# Altium PCB WT2_SL.PcbDoc
Units mil, origin at the board's own origin, x right, y up, seen from the top; angles counter-clockwise.
Board outline 1259.84 x 1536 mil, 2 copper layers (Top Layer, Bottom Layer); 87 components, 69 nets, 326 pads, 127 vias.
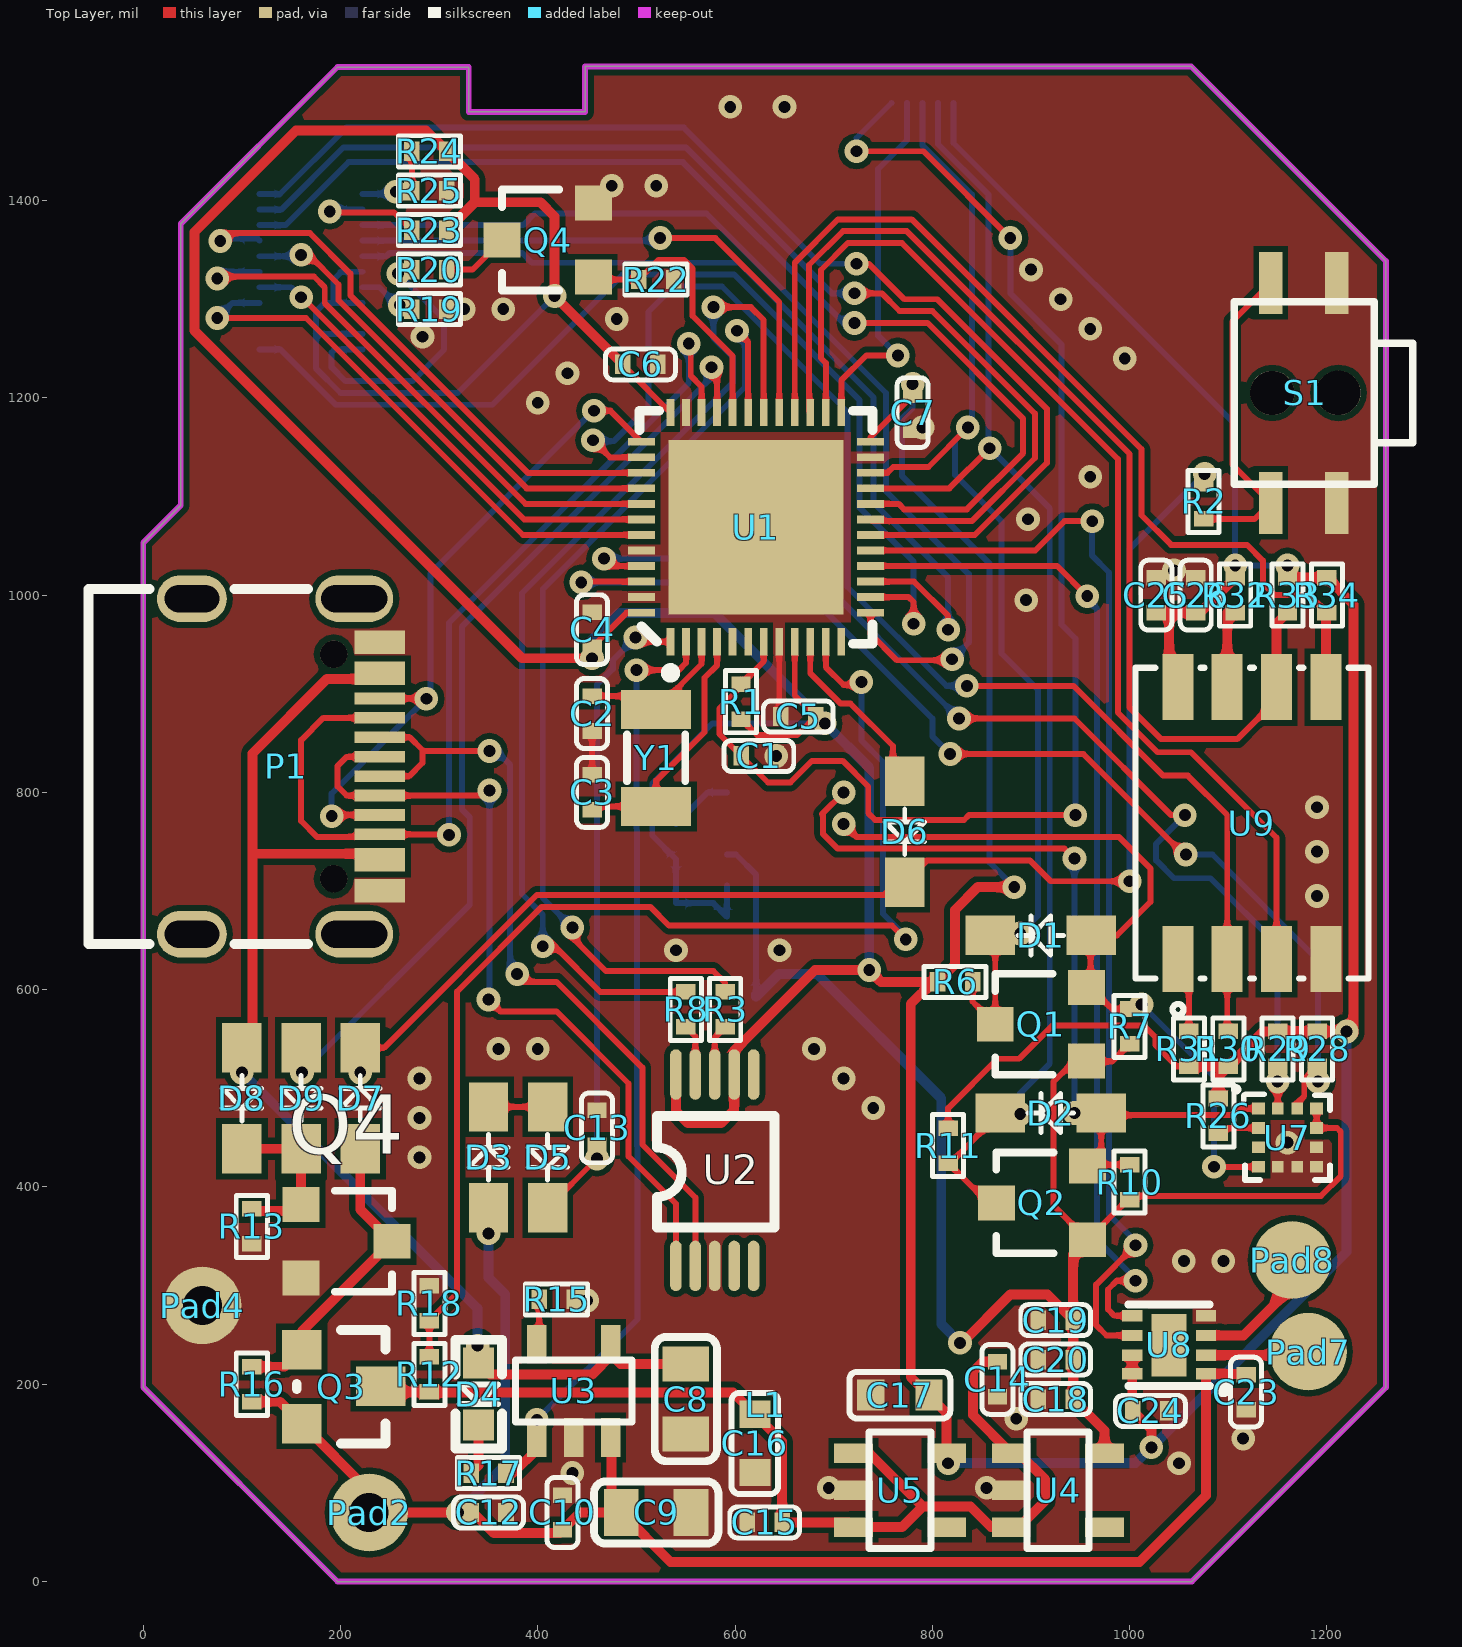
[diagram p0: Top Layer view]
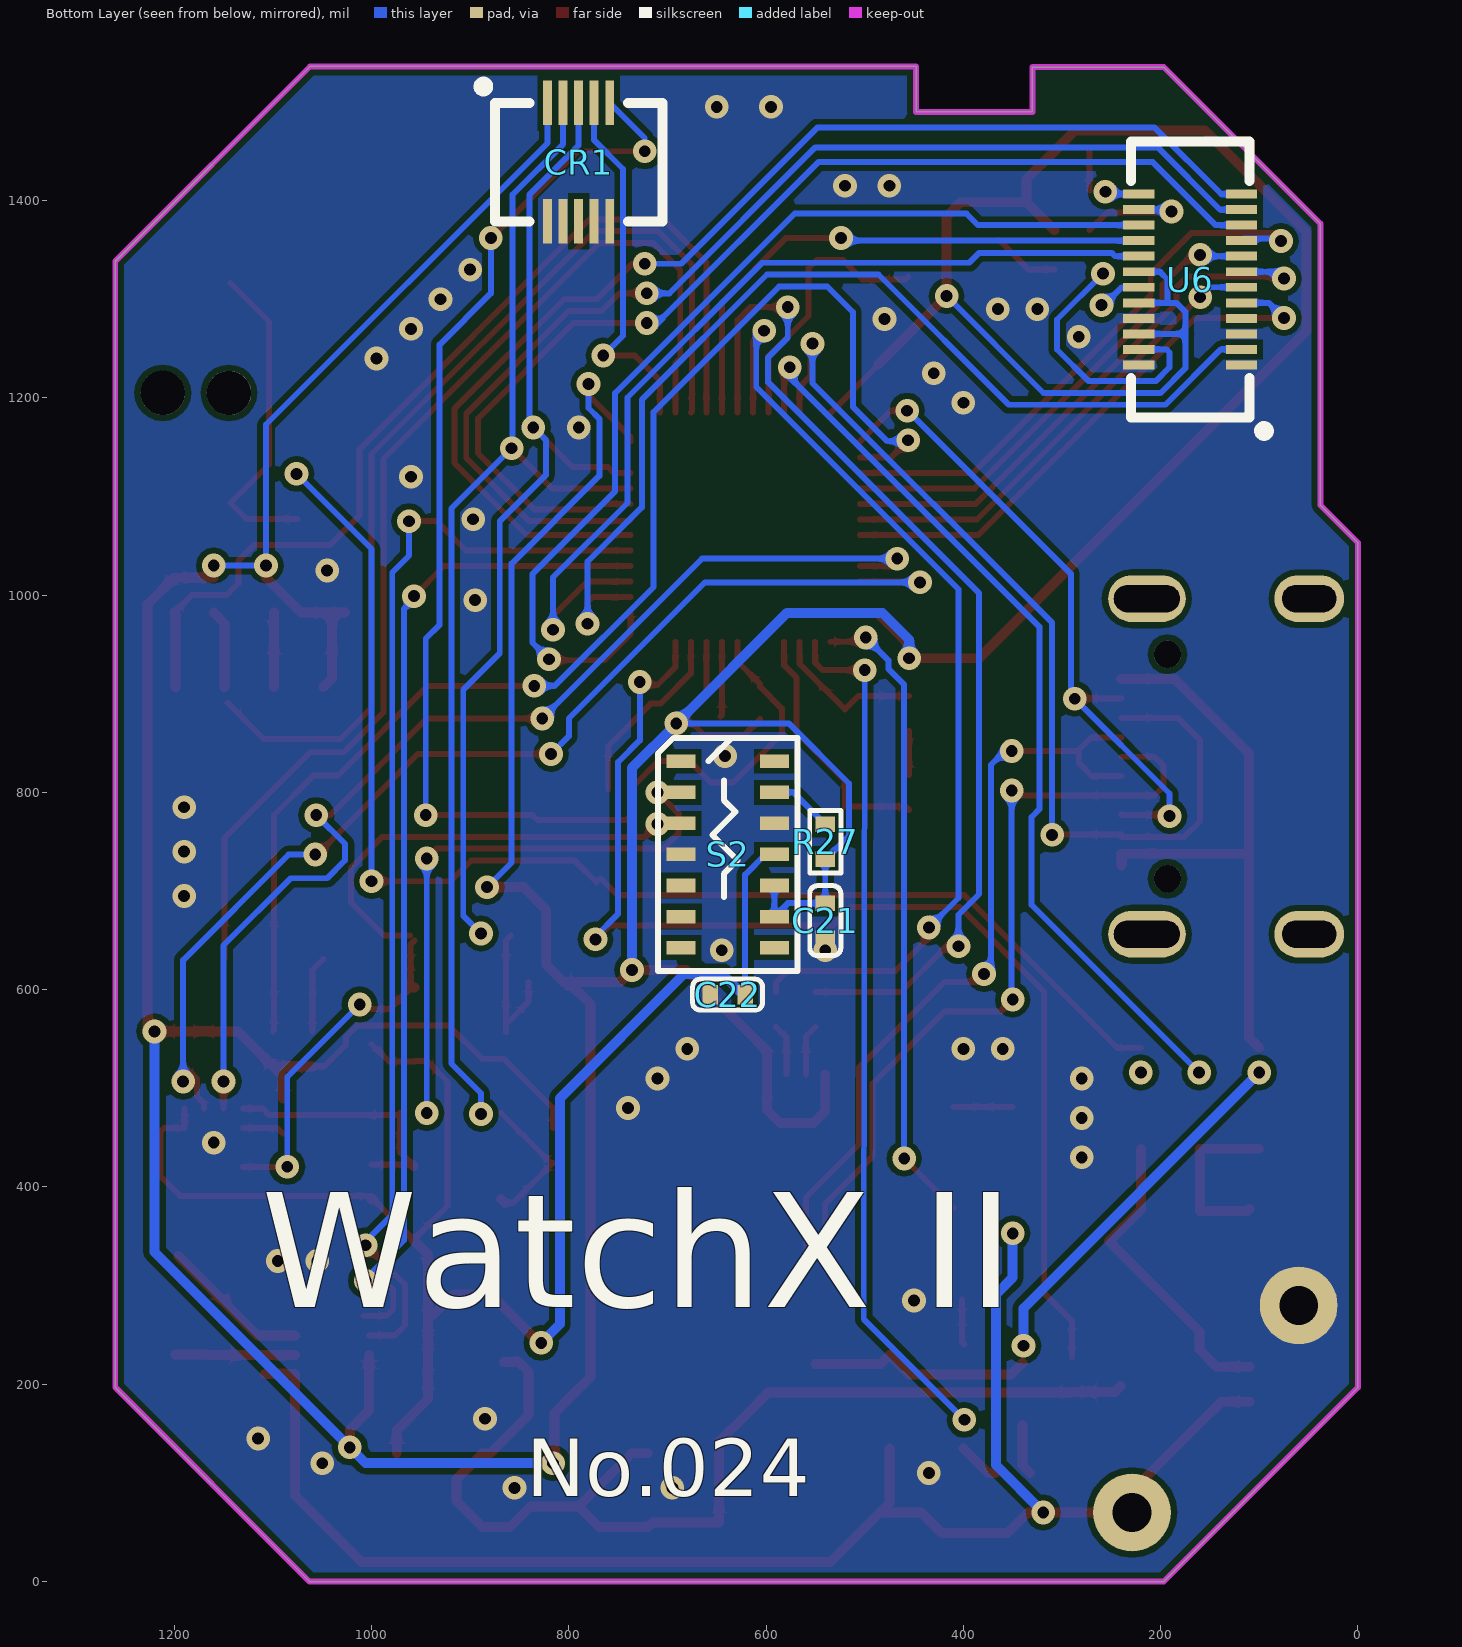
[diagram p1: Bottom Layer view, seen from below]
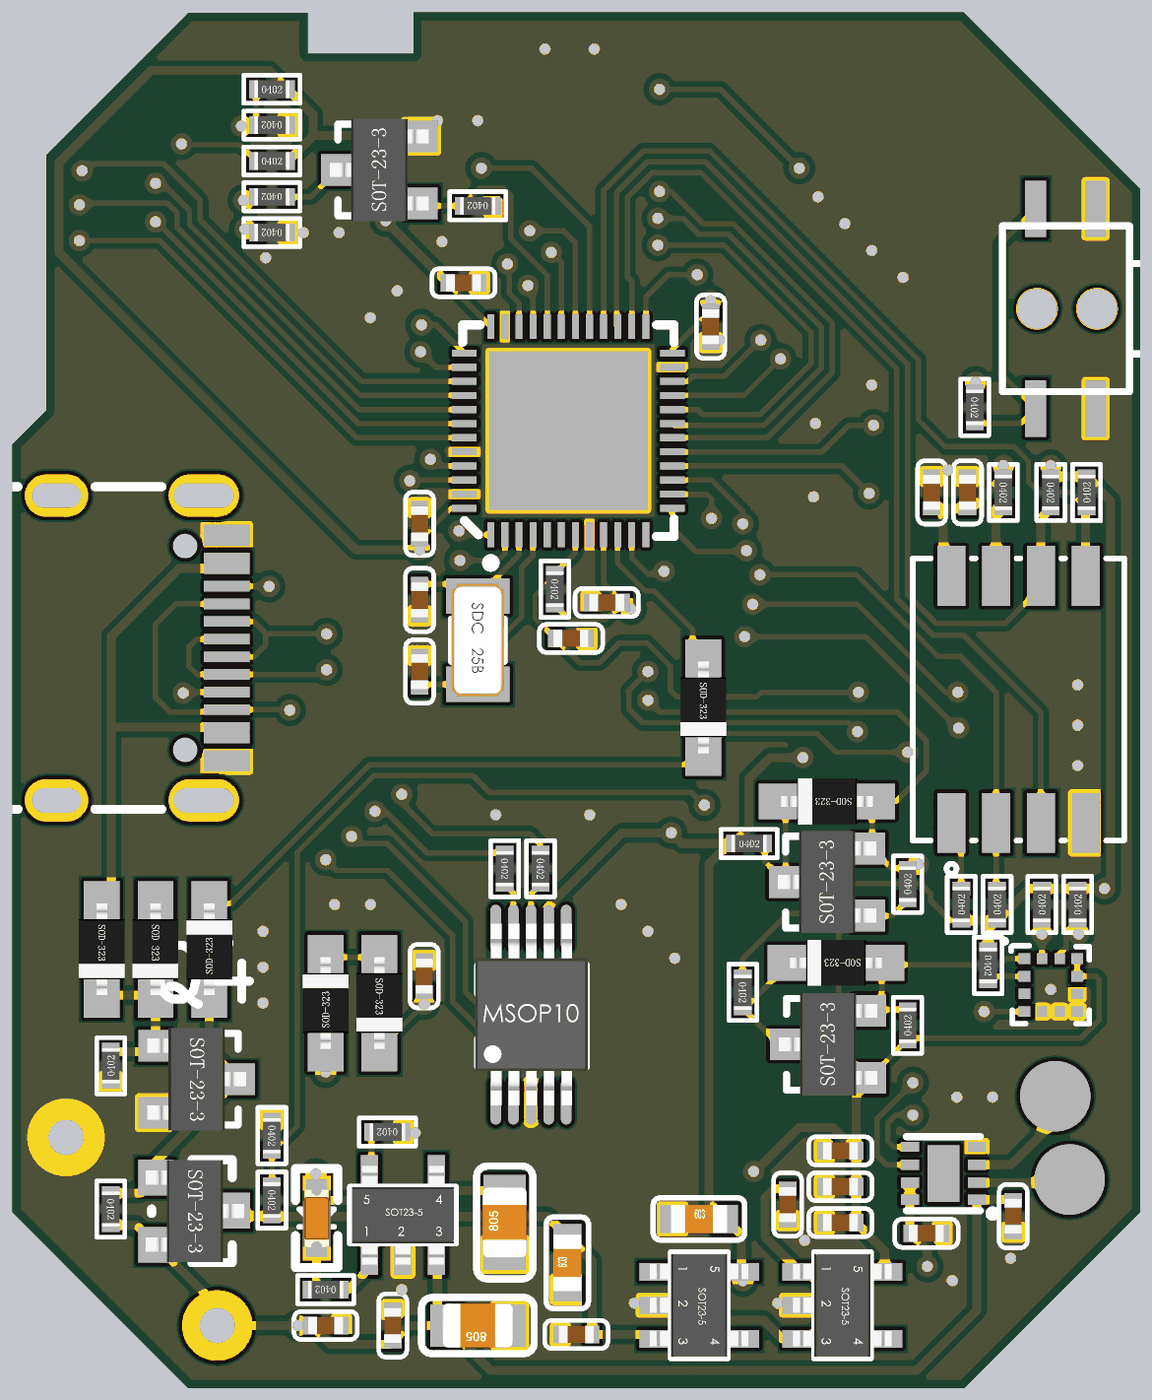
[diagram p2: 3D render of the assembled board from above, using the file's embedded part models]
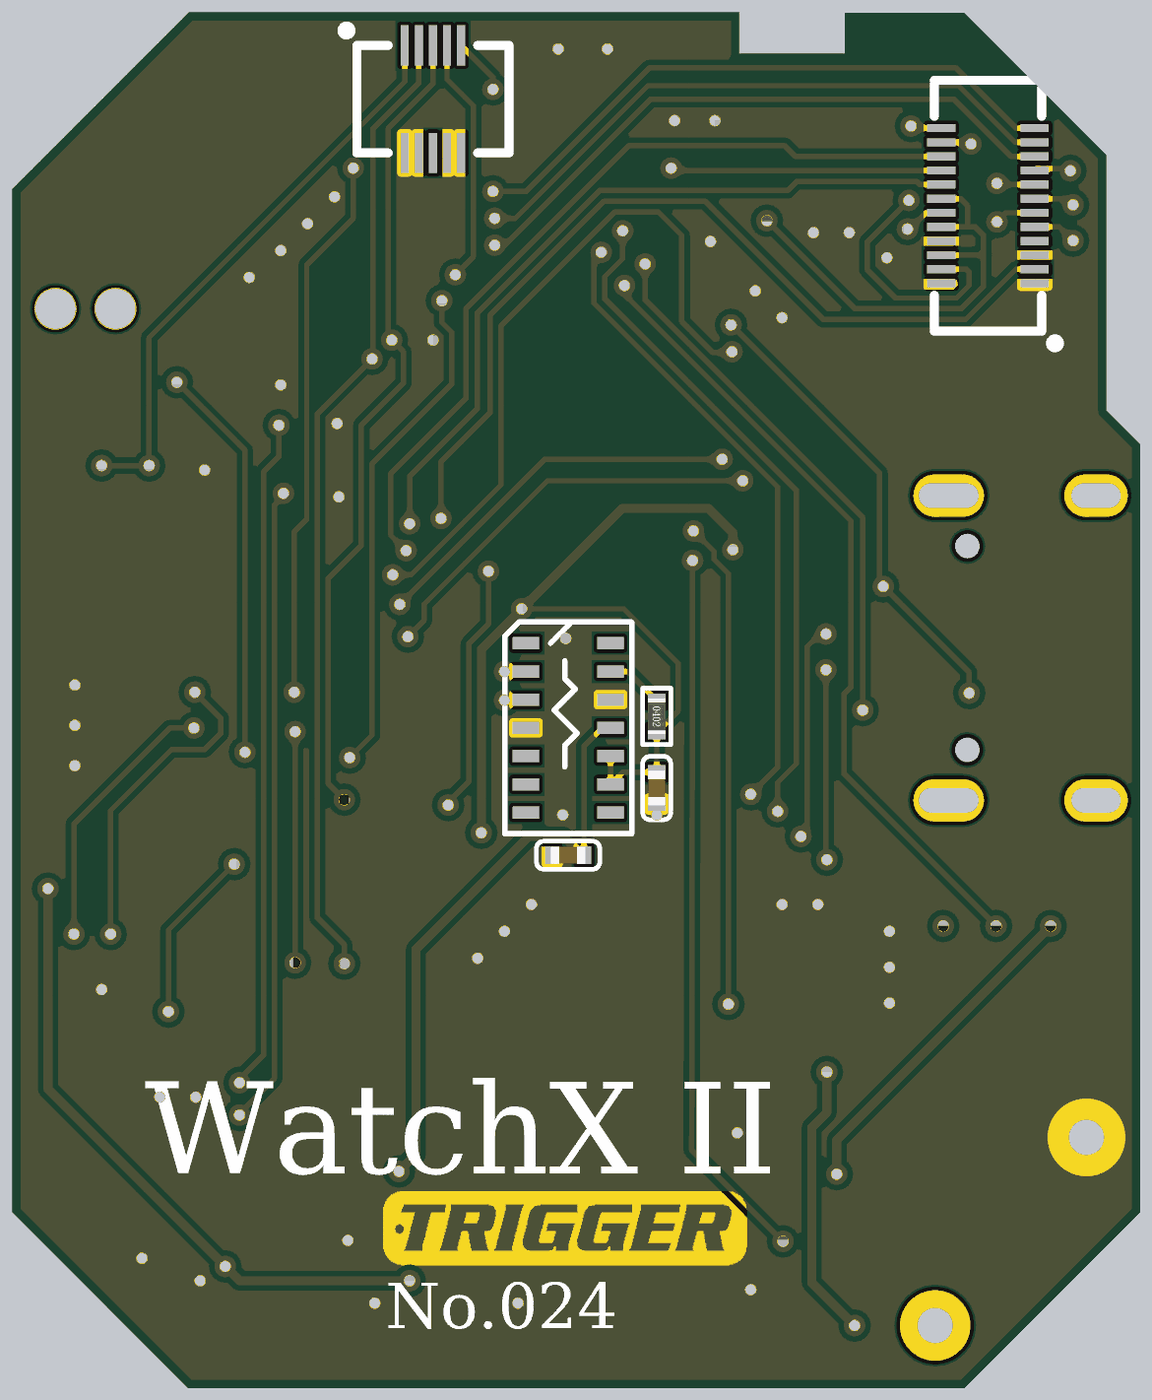
[diagram p3: 3D render of the assembled board from below, using the file's embedded part models]

## Layer stack, top to bottom
Top Solder: solder mask 0.4, Solder Resist, Dk 3.5
Top Layer: signal copper 1.4
Dielectric 1: dielectric 12.6, FR-4, Dk 4.8
Bottom Layer: signal copper 1.4
Bottom Solder: solder mask 0.4, Solder Resist, Dk 3.5

## Board outline
0,482.28 0,1053.15 38,1091.15 38,1376.58 196.85,1535.43 330,1535.43 330,1490 448,1490 448,1536 1062.43,1536 1259.84,1338.58 1259.84,196.85 1062.99,0 196.85,0 0,196.85

## Design rules (kind name [scope] priority, off if disabled: settings)
Clearance [All] p1: gap=6
ComponentClearance [All] p1 off: gap=10 collisioncheckmode=3 verticalgap=10 showdistances=FALSE
Height [All] p1 off: minheight=0 maxheight=1000 prefheight=500
HoleSize [All] p1 off: absolutevalues=TRUE maxlimit=100 minlimit=1 maxpercent=80.000 minpercent=20.000
HoleToHoleClearance [All] p1 off: gap=10 allowstackedmicrovias=TRUE
LayerPairs [All] p1 off: enforce=TRUE
MinimumSolderMaskSliver [All] p1 off: minsoldermaskwidth=10
NetAntennae [All] p1 off: netantennaetolerance=0
PlaneConnect [All] p1: planeconnectstyle=Direct reliefexpansion=20 reliefentries=4 reliefconductorwidth=10 reliefairgap=10
PolygonConnect [All] p1: connectstyle=Direct reliefconductorwidth=10 reliefentries=4 polygonreliefangle="90 Angle" airgapwidth=10
RoutingVias [All] p1: holewidth=12 width=24 viastyle="Through Hole" minholewidth=12 minwidth=24 maxholewidth=12 maxwidth=24
SilkToSilkClearance [All] p1 off: silktosilkclearance=10
SilkToSolderMaskClearance [IsPad] p1 off: minsilkscreentomaskgap=10 clearancetoexposedcopper=TRUE
SolderMaskExpansion [All] p1: expansion=4
Width [All] p1: maxlimit=100 minlimit=6 preferedwidth=6
20 further rules are at their usual default settings.

## Classes and differential pairs
component class WT2_Sensors: C21 C22 C23 C24 C25 C26 Pad7 Pad8 R26 R27 R28 R29 R30 R31 R32 R33 R34 S2 U7 U8 U9
component class WT2_Screen: CR1 Q4 R19 R20 R22 R23 R24 R25 U6
component class WT2_Power: C8 C9 C10 C12 C13 C14 C15 C16 C17 C18 C19 C20 D3 D4 D5 D6 D7 D8 D9 Q3 Q4 R2 R12 R13 R15 R16 R17 R18 S1 U3 U4 U5
component class WT2_Ports: D1 D2 P1 Pad2 Pad4 Q1 Q2 R3 R6 R7 R8 R10 R11 U2
component class WT2_MCU: C1 C2 C3 C4 C5 C6 C7 L1 R1 U1 Y1

## Components (designator, comment, footprint, x,y, rotation, side; value= is the part's Value field where it differs from the comment)
C1 "104" 电容_C0402 624,837 r180 top
C2 "22pf" 电容_C0402 455,880 r270 top
C3 "22pf" 电容_C0402 455,800 r90 top
C4 "1uF" 电容_C0402 455,965 r270 top
C5 "1uF" 电容_C0402 664,877 r0 top
C6 "1uF" 电容_C0402 504,1234 r180 top
C7 "1uF" 电容_C0402 780,1185 r90 top
C8 "4.7UF" 电容_C0805 550,185 r90 top
C9 "4.7UF" 电容_C0805 520,70 r180 top
C10 "104" 电容_C0402 425,70 r90 top
C12 "104" 电容_C0402 350,70 r0 top
C13 "104" 电容_C0402 460,460 r90 top
C14 "105" 电容_C0402 866,205 r90 top
C15 "104" 电容_C0402 630,60 r0 top
C16 "106" 电容_C0603 620,140 r90 top
C17 "106" 电容_C0603 767,189 r0 top
C18 "105" 电容_C0402 925,185 r0 top
C19 "105" 电容_C0402 925,265 r0 top
C20 "105" 电容_C0402 925,225 r0 top
C21 "104" 电容_C0402 540,670 r90 bottom
C22 "105" 电容_C0402 639,595 r0 bottom
C23 "0.1uF" 电容_C0402 1118,192 r270 top
C24 "0.1uF" 电容_C0402 1021,173 r180 top
C25 "104" 电容_C0402 1027,1000 r90 top
C26 "103" 电容_C0402 1067,1000 r90 top
CR1 "CR10P" "CONN RCPT 10POS 0.4MM" 800,1429 r0 bottom
D1 "1N5819" 二极管_SOD-323 910,655 r180 top
D2 "1N5819" 二极管_SOD-323 920,475 r180 top
D3 "1N4007" 二极管_SOD-323 350,430 r90 top
D4 "red" LED_0603 340,190 r270 top
D5 "1N4007" 二极管_SOD-323 410,430 r270 top
D6 "1N4148" 二极管_SOD-323 772,760 r270 top
D7 "1N4148" 二极管_SOD-323 220,490 r90 top
D8 "1N4148" 二极管_SOD-323 100,490 r270 top
D9 "1N4148" 二极管_SOD-323 160,490 r270 top
L1 "LOGO" "LOGO REV L BS" 631,179 r0 top
P1 "Type-C USB" Type-C_16P 91,826 r270 top
Pad2 "BAT" Pad_A#1 229,70 r180 top
Pad4 "GND" Pad_A#1 60,280 r180 top
Pad7 "Motor1" Pad_A#2 1181,233 r90 top
Pad8 "Motor2" Pad_A#2 1165,326 r90 top
Q1 "SI2302" MOS_SOT-23 910,565 r90 top
Q2 "SI2302" MOS_SOT-23 911.1,383.9 r90 top
Q3 "MOSFET-P" SOT23 160,240 r270 top
Q4 "SI2302" MOS_SOT-23 206,345 r270 top
Q4 "AO3400" MOS_SOT-23 410,1360 r90 top
R1 "10K" 电阻_R0402 606,892 r270 top
R2 "4.7k" 电阻_R0402 1075,1095 r270 top
R3 "100R" 电阻_R0402 590,580 r270 top
R6 "4.7K" 电阻_R0402 823,608 r0 top
R7 "10K" 电阻_R0402 1000,562.72 r90 top
R8 "100R" 电阻_R0402 550,580 r270 top
R10 "10K" 电阻_R0402 1000,405 r90 top
R11 "10K" 电阻_R0402 816,442 r270 top
R12 "20k" 电阻_R0402 290,210 r270 top
R13 "20k" 电阻_R0402 110,360 r90 top
R15 "2K" 电阻_R0402 419,286 r180 top
R16 "20k" 电阻_R0402 110,200 r270 top
R17 "470R" 电阻_R0402 350,110 r180 top
R18 "40k" 电阻_R0402 290,282 r270 top
R19 "4.7K" 电阻_R0402 290,1290 r180 top
R20 "10R" 电阻_R0402 290,1330 r180 top
R22 "10K" 电阻_R0402 520,1320 r180 top
R23 "4.7K" 电阻_R0402 290,1370 r0 top
R24 "4.7K" 电阻_R0402 290,1450 r0 top
R25 "10K" 电阻_R0402 290,1410 r180 top
R26 "4.7K" 电阻_R0402 1090,472 r270 top
R27 "4.7K" 电阻_R0402 540,750 r270 bottom
R28 "4.7K" 电阻_R0402 1190,540 r90 top
R29 "4.7K" 电阻_R0402 1150,540 r90 top
R30 "10K" 电阻_R0402 1100,540 r90 top
R31 "10K" 电阻_R0402 1060,540 r90 top
R32 "10K" 电阻_R0402 1107,1000 r270 top
R33 "10K" 电阻_R0402 1160,1000 r270 top
R34 "10K" 电阻_R0402 1200,1000 r90 top
S1 "SW-PB" KEY-TE26EA 1145,1205 r90 top
S2 "MAX30102" MAX30102 686.1,831.61 r180 bottom
U1 "AT32F403CGU6" AT主控_QFN48(6X6) 621.1,1068.9 r90 top
U2 "CH340E" MSOP10 540,320 r90 top
U3 "MCP73831" SOT23-5 399,146 r0 top
U4 "LP5907-1.8" SOT23-5 880,130 r270 top
U5 "LP5907-3.3" SOT23-5 720,130 r270 top
U6 "TFT" CONN-SMD_DF37NC-24DS-0.4V(51) 170,1320 r90 bottom
U7 "LIS2DS12" LGA-12_2*2mm 1160,450 r270 top
U8 "DRV883x" WSON-8_2*2 1040,240 r180 top
U9 "SD" LGA-8_6*8mm2 1123.9,768.9 r90 top
Y1 "32.768K" 晶振_3215 520,835 r270 top

## Footprints (in the part's own frame and the unit in brackets; to place one, negate y for a bottom-side part, rotate by r counter-clockwise, add the part's x,y. Pads: shape width x height; smd on the part's side, far side on the other; paste and mask are expansions set on the pad)
AT主控_QFN48(6X6) [mm]
  rect 4.5x4.5 smd: 0(0,0)
  rect 0.7x0.2 smd: 1(-2.95,2.2) 2(-2.95,1.8) 3(-2.95,1.4) 4(-2.95,1) 5(-2.95,0.6) 6(-2.95,0.2) 7(-2.95,-0.2) 8(-2.95,-0.6) 9(-2.95,-1) 10(-2.95,-1.4) 11(-2.95,-1.8) 12(-2.95,-2.2) 25(2.95,-2.2) 26(2.95,-1.8) 27(2.95,-1.4) 28(2.95,-1) 29(2.95,-0.6) 30(2.95,-0.2) 31(2.95,0.2) 32(2.95,0.6) 33(2.95,1) 34(2.95,1.4) 35(2.95,1.8) 36(2.95,2.2)
  rect 0.2x0.7 smd: 13(-2.2,-2.95) 14(-1.8,-2.95) 15(-1.4,-2.95) 16(-1,-2.95) 17(-0.6,-2.95) 18(-0.2,-2.95) 19(0.2,-2.95) 20(0.6,-2.95) 21(1,-2.95) 22(1.4,-2.95) 23(1.8,-2.95) 24(2.2,-2.95) 37(2.2,2.95) 38(1.8,2.95) 39(1.4,2.95) 40(1,2.95) 41(0.6,2.95) 42(0.2,2.95) 43(-0.2,2.95) 44(-0.6,2.95) 45(-1,2.95) 46(-1.4,2.95) 47(-1.8,2.95) 48(-2.2,2.95)
  silkscreen extent -3.87,-3 3,3
"CONN RCPT 10POS 0.4MM" [mil] "板对板连接器"
  rect 9.05x45 smd: 1(21.49,-70.03) 2(5.74,-70.03) 3(-10,-70.03) 4(-25.75,-70.03) 5(-41.5,-70.03) 6(-41.5,50.04) 7(-25.75,50.04) 8(-10,50.04) 9(5.74,50.04) 10(21.49,50.04)
  silkscreen extent -95,-92 92,50
CONN-SMD_DF37NC-24DS-0.4V(51) [mm] "板对板连接器"
  rect 0.23x0.8 smd: 1(-2.2,-1.325) 2(-1.8,-1.325) 3(-1.4,-1.325) 4(-1,-1.325) 5(-0.6,-1.325) 6(-0.2,-1.325) 7(0.2,-1.325) 8(0.6,-1.325) 9(1,-1.325) 10(1.4,-1.325) 11(1.8,-1.325) 12(2.2,-1.325) 13(2.2,1.325) 14(1.8,1.325) 15(1.4,1.325) 16(1,1.325) 17(0.6,1.325) 18(0.2,1.325) 19(-0.2,1.325) 20(-0.6,1.325) 21(-1,1.325) 22(-1.4,1.325) 23(-1.8,1.325) 24(-2.2,1.325)
  silkscreen extent -4.03,-2.03 3.56,1.52
KEY-TE26EA [mil]
  round 45 hole 45: 0(-0.01,0.39) 0(0.01,-66.61)
  rect 62.99x23.62 smd: 1(-111.5,-64.98) 1(111.5,-64.98) 2(-111.5,2.02) 2(111.5,2.02)
  silkscreen extent -92,-142 92,39, body extent -116,-142 117,35, height 64
LED_0603 [mm]
  rect 0.8x0.8 smd paste-0.1: A(-0.8,0) K(0.8,0)
  silkscreen extent -1.4,-0.6 1.4,0.6, body extent -0.8,-0.4 0.82,0.4, height 0.6
LGA-8_6*8mm2 [mm]
  rect 1.7x0.8 smd: 1(-3.5,1.905) 2(-3.5,0.635) 3(-3.5,-0.635) 4(-3.5,-1.905) 5(3.5,-1.905) 6(3.5,-0.635) 7(3.5,0.635) 8(3.5,1.905)
  silkscreen extent -4.94,-3 4,3
LGA-12_2*2mm [mm]
  rect 0.3x0.33 smd: 1(-0.75,-0.75) 2(-0.25,-0.75) 3(0.25,-0.75) 4(0.75,-0.75) 7(0.75,0.75) 8(0.25,0.75) 9(-0.25,0.75) 10(-0.75,0.75)
  rect 0.3x0.3 smd: 5(0.75,-0.25) 6(0.75,0.25) 11(-0.75,0.25) 12(-0.75,-0.25)
  silkscreen extent -1.3,-1.38 1.09,1.09
"LOGO REV L BS" [mil]
MAX30102 [mm] "血氧浓度传感器"
  rect 0.75x0.35 smd: 1(0,0) 2(0,-0.8) 3(0,-1.6) 4(0,-2.4) 5(0,-3.2) 6(0,-4) 7(0,-4.8) 8(2.4,-4.8) 9(2.4,-4) 10(2.4,-3.2) 11(2.4,-2.4) 12(2.4,-1.6) 13(2.4,-0.8) 14(2.4,0)
  silkscreen extent -0.6,-5.4 3,0.6
MOS_SOT-23 [mm]
  rect 0.9x0.95 smd: 1(-0.95,-1.175) 2(0,1.175) 3(0.95,-1.175)
  silkscreen extent -1.3,-0.3 1.3,1.18, body extent -1.45,-1.4 1.45,1.4, height 1.2
MSOP10 [mm] "VSOP8"
  oval 1.3x0.3 smd: 1(0,0) 2(0,-0.5) 3(0,-1) 4(0,-1.5) 5(0,-2) 6(4.928,-2) 7(4.928,-1.5) 8(4.928,-1) 9(4.928,-0.5) 10(4.928,0)
  silkscreen extent 0.99,-2.54 3.86,0.48, body extent -0.11,-2.62 5.04,0.58, height 1.09
Pad_A#1 [mm]
  round 2 hole 1: 1(0,0)
Pad_A#2 [mm]
  round 2 smd: 1(0,0)
SOT23 [mil]
  rect 40x40 smd: 1(4.88,0.63) 3(79.88,0.63)
  rect 40x50 smd: 2(41.88,80.63)
  silkscreen extent -15,-4 100,86, body extent -15,-11 99,99, height 47
SOT23-5 [mm]
  rect 0.5x1 smd: 1(0,0) 2(0.95,0) 3(1.9,0) 4(1.9,2.4) 5(0,2.4)
  silkscreen extent -0.55,0.4 2.45,2, body extent -0.5,-0.2 2.4,2.6, height 1.09
Type-C_16P [mm] "Type-C母座"
  oval 1.2x2 hole 0.7 slot 1.7 at 90 deg: 1(-4.329,3.122) 2(4.311,3.122)
  oval 1.2x1.8 hole 0.7 slot 1.4 at 90 deg: 3(-4.329,-1.058) 4(4.311,-1.058)
  rect 0.3x1.3 smd: A1(-3.359,3.772) A4(-2.559,3.772) A5(-1.259,3.772) A6(-0.259,3.772) A7(0.241,3.772) A8(1.241,3.772) A9(2.541,3.772) A12(3.341,3.772) B1(3.041,3.772) B4(2.241,3.772) B5(1.741,3.772) B6(0.741,3.772) B7(-0.759,3.772) B8(-1.759,3.772) B9(-2.259,3.772) B12(-3.059,3.772)
  round 0.7 hole 0.7 unplated: ""(-2.899,2.592) ""(2.881,2.592)
  silkscreen extent -4.58,-3.72 4.56,1.93
WSON-8_2*2 [mil]
  rect 20.5x11.5 smd: 1(-37.4,29.5) 2(-37.4,10.5) 3(-37.4,-9.5) 4(-37.4,-29.5) 5(37.4,-29.5) 6(37.4,-9.5) 7(37.4,10.5) 8(37.4,29.5)
  rect 35.5x63.5 smd: 9(0,0.5)
  silkscreen extent -58,-41 41,48
二极管_SOD-323 [mil]
  rect 50x40 smd: A(-51.18,0) K(51.18,0)
  silkscreen extent -23,-20 23,20, body extent -51,-26 51,26, height 39
晶振_3215 [mm] "XTAL SMD 3.2 x 1.5 mm"
  rect 1x1.8 smd: 1(-1.25,0) 2(1.25,0)
  silkscreen extent -0.6,-0.75 0.6,0.75, body extent -1.6,-0.75 1.6,0.75, height 0.81
电容_C0402 [mm]
  rect 0.4x0.5 smd: 1(-0.45,0) 2(0.45,0)
  silkscreen extent -0.9,-0.4 0.9,0.4, body extent -0.5,-0.25 0.5,0.25, height 0.5
电容_C0603 [mm]
  rect 0.7x0.8 smd: 1(-0.75,0) 2(0.75,0)
  silkscreen extent -1.3,-0.6 1.3,0.6, body extent -0.8,-0.4 0.8,0.4, height 0.3
电容_C0805 [mm]
  rect 0.9x1.2 smd: 1(-0.9,0) 2(0.9,0)
  silkscreen extent -1.6,-0.8 1.6,0.8, body extent -1,-0.62 1,0.63, height 0.77
电阻_R0402 [mm]
  rect 0.4x0.5 smd: 1(-0.45,0) 2(0.45,0)
  silkscreen extent -0.8,-0.4 0.8,0.4, body extent -0.5,-0.25 0.5,0.25, height 0.35

## Part data
C1 C2 C3 C4 C5 C6 C7 C8 C9 C10 C12 C13 C14 C15 C16 C17 C18 C19 C20 C21 C22 C23 C24 C25 C26: library part cap
CR1: library part "CONN RCPT 10P", "板对板连接器"
D1 D2 D3 D5 D6 D7 D8 D9: library part Diode
D4: library part LED
L1: library part LOGO_TRIGGER
P1: library part "Type-C USB Easy 16PIN"
Pad2 Pad4 Pad7 Pad8: library part Pad
Q1 Q2 Q4 Q4: library part MOSFET-N
Q3: "P-Channel MOSFET"
R1 R2 R3 R6 R7 R8 R10 R11 R12 R13 R15 R16 R17 R18 R19 R20 R22 R23 R24 R25 R26 R27 R28 R29 R30 R31 R32 R33 R34: library part Res
S1: "按键"
S2: "血氧浓度传感器"
U3: "线性充电管理控制器"
U4 U5: library part LP5907, "LDO"
U6: library part TFT_IPS_8Bit_1.54_240*240
U7: "运动传感器"
U9: library part SDNAND
Y1: library part XTAL_A

## Via types
v1: diameter 24, hole 12, Top Layer to Bottom Layer, tented both sides, 127 vias

## Nets (pads, with @x,y where several pads share a name; then routed paths per layer and width w, separated by ;. In a path a pad name is that pad's centre, name@x,y a point inside that pad or via, vN(x,y) a via of type N, cw(c..) or ccw(c..) an arc to the next point about the centre after c; other vN are vias at no path point)
1.8V: C18.2 C19.2 C20.2 C22.1 Q1.1 Q2.1 R7.1 R10.1 S2.11 U4.5 U7.9 U7.10 | length 1686.6
  Top Layer w6: Q1.1 943.6,527.6 923,507 923,380.86 Q2.1 R10.1@998.15,387.28 ; Q1.1@956.57,527.28 982.28,527.28 R7.1 ; R10.1@1000,391 1194,391 1214,411 1214,456 1210.16,459.84 U7.9 U7.10
  Top Layer w10: v1@830,242 879,291 916.72,291 C19.2 ; Q2.1 942.72,331.85 C19.2 ; U4.5 974.49,153.23 C18.2 C20.2 C19.2 ; R10.1@998.15,387.28 R10.1
  Bottom Layer w6: S2.11 600.87,737.13 621.28,716.72 C22.1
  Bottom Layer w10: C22.1 621.28,592.84 644.29,615.84 683.16,615.84 809,490 809,261 v1(828,242)
3V3: C4.2 C5.2 C6.2 C7.2 C17.2 C21.2 C24.2 C25.1 C26.1 CR1.1 R1.2 R6.1 R11.1 R23.2 R24.2 R26.1 R27.2 R28.2 R29.2 R30.1 R31.1 R32.1 R33.1 R34.2 S2.9 S2.10 U1.9 U1.24 U1.36 U1.48 U2.7 U2.10 U5.5 U6.18 U6.20 U6.22 U8.7 U8.8 U9.8 | length 7500.7
  Top Layer w6: C4.2 490,982.28 U1.48 ; C6.2@489.53,1230 U1.36 ; R1.2 622.13,858.16 662.87,858.16 C5.2 660.47,898.24 U1.9 ; U1.24 737.24,1159.96 C7.2 ; R11.1 816,479.91 866.09,530 888,530 921.56,563.56 1014.44,563.56 1026,552 1026,544 1047.72,522.28 R31.1
  Top Layer w10: R23.2 336,1398.28 ; v1(455,936) 384,936 52,1268 52,1368 155,1471 286.72,1471 R24.2 336,1421.72 336,1398.28 ; C6.2 v1(417,1303.28) 417,1384 402.72,1398.28 336,1398.28 ; U2.10 540,477 552,465 586,465 599.06,478.06 U2.7 599.06,538.06 681,620 v1(736,620) 748,608 R6.1@800.51,608 ; U5.5 814.49,171.04 C17.2 778,207.53 778,585.49 R6.1@800.51,608 ; v1(883,704) 846,704 822.82,680.82 822.82,625.54 R6.1 R6.1@800.51,608 ; U8.7 U8.8 1002.6,173.69 C24.2 1022,154.28 v1(1022,136) ; C25.1 C26.1 1071.57,982.28 R32.1 ; 1040,982.28 1040,915.6 U9.8 ; R31.1 R30.1 ; R26.1 1090,512.28 R30.1 ; R33.1 R34.2 1227,990.72 1227,555.29 1224.57,557.72 v1(1220,557.72) R28.2 R29.2 1135.43,557.72 R30.1
  Bottom Layer w6: 175,1264.88 U6.22 ; 193,1298 193,1320 199.88,1326.88 199.88,1327.88 U6.18 ; U6.20 184.07,1296.38 175,1287.3 175,1230 200,1205 318.72,1205 v1(417,1303.28) ; S2.10 S2.9 578.03,687.72 C21.2 R27.2 516,756.28 516,809 577,870 v1(691,870) ; v1(780,1214) 780,1189.7 769,1178.7 769,1121 858,1032 858,729 v1(883,704) ; CR1.1 821.49,1458.48 1107,1172.97 v1(1107,1030) v1(1160,1030)
  Bottom Layer w10: v1(455,936) 455,955 482,982 579,982 v1(691,870) 736,825 v1(736,620) ; v1(816,120) 1006,120 v1(1022,136) 1220,334 v1(1220,557.72)
ASCL: CR1.2 D2.K Q2.2 R11.2 U1.21 | length 1371
  Top Layer w6: U1.21 817.27,1108.27 v1(858,1149) ; Q2.2 856.39,383.9 R11.2 818.1,424.28 D2.K
  Top Layer w10: Q2.2 Q2.2@868.82,387.87
  Bottom Layer w6: CR1.2 805.74,1457.26 857,1406 857,1150 919,1088 919,525 889,495 v1(889,474) ; v1@854,1149 v1(858,1149)
ASDA: CR1.3 D1.K Q1.2 R6.2 U1.22 | length 1180.7
  Top Layer w6: U1.22 754.32,1124.02 760.3,1130 796,1130 v1(836,1170) ; R6.2 840.72,588.02 Q1.2 ; D1.K 863.74,650.08 Q1.2 ; Q1.2@863.74,557.05 Q1.2
  Bottom Layer w6: CR1.3 790,1456.03 840,1406.03 v1@840,1170 ; v1(836,1170) 823,1157 823,1122 870,1075 870,941 907,904 907,675 v1(889,657)
BAT: C9.2 C10.1 C12.1 C23.1 D3.A Pad2.1 Q3.3 R16.2 U3.3 U8.1 | length 1612.1
  Top Layer w10: R16.2 138.46,182.28 Q3.3 229,91.75 Pad2.1 v1(319,70) ; C12.1 334.44,70 355.29,49.16 421.87,49.16 C10.1 442.72,70 C9.2 ; U3.3@474.8,135 474.8,79.76 C9.2 ; C23.1@1108.22,210.5 U8.1 1077.4,87.4 1010,20 534.57,20 C9.2
  Bottom Layer w10: v1(319,70) 367,118 367,291 350,308 v1(350,353)
BAT_CHG: R17.1 U1.2 U3.1 | length 919.5
  Top Layer w6: v1(500,924) 542.82,924 550.24,931.42 U1.2
  Top Layer w10: R17.1 375,110 U3.1@400,135
  Bottom Layer w6: v1(399,164) 501,266 501,279 v1(500,924)
BAT_DET: R12.1 R18.2 U1.11 | length 1224.5
  Top Layer w6: R12.1 R18.2 318,292.28 318,598.03 403.97,684 514,684 533,665 759,665 v1(773,651) ; U1.11 691.97,927.03 710,909 v1@719,909
  Bottom Layer w6: v1(728,912) 728,852.8 750,830.8 750,677 v1@774,653
BAT_DET_EN: U1.12
BAT_OUT: C14.2 C15.2 C16.2 Q3.2 R12.2 U4.1 U4.3 U5.1 U5.3 | length 1096.8
  Top Layer w10: Q3.2 246.46,192.28 R12.2 290,191.72 597.81,191.72 C16.2 647.72,141.81 C15.2 715.2,60 U5.3 769.4,55.2 790.25,76.04 ; U5.1 736.29,130 790.25,76.04 ; C14.2 850.72,222.72 841,213 841,169 U4.1 887.68,130 914,103.68 914,81.51 887.68,55.2 U4.3 859.57,55.2 838.73,76.04 790.25,76.04
BSCL: D2.A Q2.3 R10.2 S2.2 U7.1 | length 838.5
  Top Layer w6: v1(710,800) 688,778 689,777 689,758 704,743 934,743 v1(944,733) ; R10.2 958.78,422.72 971.18,435.12 D2.A 973.34,472.84 1103.57,472.84 1110.26,479.53 U7.1
  Top Layer w10: Q2.3 Q2.3@958.78,422.72
  Bottom Layer w6: v1(944,475) v1(944,733)
BSDA: D1.A Q1.3 R7.2 S2.3 U7.4 | length 779.7
  Top Layer w6: v1(710,768) 723,755 989,755 1021,723 1021,689 987,655 D1.A ; D1.A@956.26,650.08 960.31,646.02 960.31,602.4 982.28,580.43 R7.2 ; v1(1085.47,420.47) U7.4
  Top Layer w10: Q1.3 Q1.3@960.31,602.4
  Bottom Layer w6: v1(1012,585) 1085.47,511.53 v1(1085.47,420.47)
EC_KET: D6.K D7.K R2.1 | length 1309.3
  Top Layer w6: D7.K 244.18,541.18 399,696 750.82,696 D6.K@767.82,713 ; D6.K 794.08,730.9 899.1,730.9 920,710 v1(1000,710)
  Bottom Layer w6: v1(1000,710) 1000,1047 v1(1076,1123)
  other v1: 220,516
EC_KEY_DET: D6.A U1.10 | length 190.1
  Top Layer w6: U1.10 676.22,920.78 707,890 717,890 760,847 D6.A@760,803.18
GND: C1.1 C2.2 C3.2 C4.1 C5.1 C6.1 C7.1 C8.1 C9.1 C10.2 C12.2 C13.2 C14.1 C15.1 C16.1 C17.1 C18.1 C19.1 C20.1 C21.1 C22.2 C23.2 C24.1 C25.2 C26.2 CR1.6 CR1.7 CR1.9 CR1.10 P1.A1 P1.A12 P1.B1 P1.B12 Pad4.1 Q4.3 R13.1 R15.1 R18.1 R19.1 R22.1 R25.1 S1.1 S2.4 S2.12 U1.0 U1.8 U1.23 U1.35 U1.44 U1.47 U2.3 U3.2 U4.2 U5.2 U6.1 U6.3 U6.21 U6.24 U7.5 U7.6 U7.7 U7.8 U8.4 U9.4 | length 121
  Top Layer w6: C3.2 C2.2 ; U1.8 644.72,878.56 C5.1
  other v1: 695,95 855,95 435,110 1050,120 1115,145 885,165 450,285 1055,325 1095,325 280,430 1160,445 280,470 740,480 280,510 710,510 360,540 400,540 680,540 540,640 645,640 1190,695 1190,740 1190,785 641.72,837 895,995 1045,1025 897,1077 960,1120 790,1170 400,1195 430,1225 995,1240 283,1262 960,1270 480,1280 325,1290 365,1290 930,1300 900,1330 475,1415 520,1415 595,1495 650,1495
HRS_INT: R27.1 S2.13 | length 65
  Bottom Layer w6: R27.1 572.4,800.12 S2.13
LIS_CS: R26.2 U7.2 | length 42.8
  Top Layer w6: R26.2 1095.56,459.84 U7.2
LIS_INT1: R29.1 U1.45 U7.12 | length 1135.3
  Top Layer w6: v1(467,1037) 474.47,1029.53 U1.45 ; v1(827,875) 944,875 1042,777 v1(1056,777) ; R29.1 1150.16,522.12 U7.12
  Bottom Layer w6: v1(467,1037) 665,1037 v1(827,875) ; v1(1056,777) 1026.9,747.9 1026.9,731.1 1045,713 1082,713 1150,645 v1(1150,507)
LIS_INT2: R28.1 U1.46 U7.11 | length 1149.5
  Top Layer w6: v1@445.78,1013.78 U1.46 ; v1(818,839) 953,839 1055,737 v1(1057,737) ; U7.11 1169.85,484.97 1177,492.13 1177,509.28 R28.1
  Bottom Layer w6: v1(444,1013) 662,1013 800,875 800,857 v1(818,839) ; v1(1057,737) 1084,737 1191,630 v1(1191,507)
LIS_SD0: U7.3
M1-IN1: U1.17 U8.6 | length 1127.8
  Top Layer w6: U1.17 904.28,1045.28 934,1075 v1(962,1075) ; U8.6 976.5,249.5 966,260 966,301 v1(1006,341)
  Bottom Layer w6: v1(962,1075) 962,1040 979,1023 979,372 1006,345 v1(1006,341)
M1-IN2: U1.16 U8.5 | length 1031.1
  Top Layer w6: U1.16 926.47,1029.53 v1(957,999) ; v1(1006,305) 986.97,305 978,296.03 978,276 984.5,269.5 U8.5 U8.5@1008,269.5
  Bottom Layer w6: v1(957,999) 957,996 967,986 967,346 1006,307 v1(1006,305)
MCU_RX: R3.1 U1.31 | length 986.6
  Top Layer w6: v1(435,663) 435,653 469,619 578,619 590,607 R3.1 ; v1(602,1268) 613.23,1256.77 U1.31
  Bottom Layer w6: v1(435,663) 405,693 405,820 405,1006 610,1211 610,1260 v1(602,1268)
MCU_TX: R8.1 U1.30 | length 1068
  Top Layer w6: v1(405,644) 417,644 463.28,597.72 R8.1 ; v1(578,1292) 616,1292 628.98,1279.02 U1.30
  Bottom Layer w6: v1(405,644) 405,676.03 384,697.03 384,859 384,1001.97 597.9,1215.87 597.9,1241.1 578,1261 v1(578,1292)
NetD3_K: D3.K D5.A | length 60
  Top Layer w6: D3.K D5.A
NetD4_K: D4.K R17.2 | length 51.7
  Top Layer w10: R17.2 340,117.72 D4.K
NetD7_A: D7.A Q3.1 Q4.2@252.26,345 R16.1 | length 312.9
  Top Layer w10: R16.1 143.23,217.72 Q3.1 160.63,253.37 252.26,345 220,377.26 D7.A
NetD8_K: D8.K D9.K Q4.1@159.74,382.4 R13.2 | length 173.9
  Top Layer w10: D8.K D9.K 160,375.75 111.97,375.75 R13.2
NetPad7_1: Pad7.1 U8.2 | length 121.8
  Top Layer w10: U8.2 1167.5,229.5 1168,230 Pad7.1@1199,230
NetPad8_1: Pad8.1 U8.3 | length 151.9
  Top Layer w10: U8.3 1115.5,249.5 Pad8.1@1196,330
NetQ4_2: Q4.2@363.74,1360 R20.1 | length 68.4
  Top Layer w6: R20.1 333.74,1330 Q4.2@363.74,1360
NetR2_2: R2.2 S1.2 | length 330
  Top Layer w6: R2.2 1126.76,1077.28 1142.98,1093.5 1104,1132.48 1104,1277.52 S1.2@1142.98,1316.5
NetR3_2: R3.2 U2.8 | length 52.7
  Top Layer w6: U2.8 579.37,551.65 R3.2
NetR8_2: R8.2 U2.9 | length 52.3
  Top Layer w6: R8.2 559.69,552.6 U2.9
NetR15_2: R15.2 U3.5 | length 46.5
  Top Layer w6: U3.5 401.28,242.77 R15.2
NetR19_2: R19.2 U6.19 | length 45.3
  Bottom Layer w6: U6.19 239.42,1312.13 257.54,1294 v1(260,1294)
OSC32_IN: C2.1 U1.3 Y1.1 | length 158.2
  Top Layer w6: C2.1 506.5,897.72 Y1.1 565.98,930.2 U1.3
OSC32_OUT: C3.1 U1.4 Y1.2 | length 259
  Top Layer w6: C3.1 458.5,785.79 Y1.2 520,812 569,861 569,916.24 581.73,928.97 U1.4
PA3: U1.13 U6.15 | length 1038.7
  Top Layer w6: U1.13 737.24,960.76 764,934 819,934 v1(820,935)
  Bottom Layer w6: U6.15 385.12,1375.12 397,1387 570.94,1387 753,1204.94 753,1105.3 837,1021.3 837,952 v1(820,935)
PA4: U1.14 U6.2 | length 1056.3
  Top Layer w6: U1.14 775.97,998.03 781,993 v1(781,971)
  Bottom Layer w6: U6.2 138.89,1249.13 195.03,1193 354,1193 486,1325 599,1325 726,1198 726,1089 781,1034 v1(781,971)
PA5: U1.15 U6.17 | length 954.3
  Top Layer w6: U1.15 781.22,1013.78 816,979 v1(816,965)
  Bottom Layer w6: U6.17 246.34,1343.63 249.71,1347 384,1347 394,1337 603.97,1337 740.51,1200.46 740.51,1093.49 816,1018 v1(816,965)
PA8: U1.29 U6.16 | length 562.7
  Top Layer w6: v1(524,1362) 580,1362 644.72,1297.28 U1.29
  Bottom Layer w6: U6.16 521.37,1359.37 v1(524,1362)
PA11: Q4.1@456.26,1322.6 R22.2 U1.32 | length 276.7
  Top Layer w6: Q4.1@456.26,1322.6 458.86,1320 R22.2 522.28,1340 548.16,1340 557,1331.16 557,1283 597.48,1242.52 U1.32
PA12: D9.A U1.33 | length 941.9
  Top Layer w6: v1(576,1231) 581.73,1225.27 U1.33
  Bottom Layer w6: v1(161,516) 331,686 331,775 323,783 323,968 576,1221 v1(576,1231)
PB0: U1.18 U6.12 | length 1208
  Top Layer w6: v1(723,1336) 735.64,1336 771.64,1300 804.94,1300 916,1188.94 916,1134.06 842.96,1061.02 U1.18
  Bottom Layer w6: U6.12 138.64,1406.62 206.03,1474 548,1474 686,1336 v1(723,1336)
PB1: U1.19 U6.11 | length 1172.1
  Top Layer w6: v1(721,1306) 748.67,1306 766.67,1288 799.97,1288 904,1183.97 904,1139.03 839.97,1075 739.02,1075 U1.19
  Bottom Layer w6: U6.11 139.87,1390.87 203,1454 550,1454 698,1306 v1(721,1306) v1@711.97,1306
PB2: U1.20 U6.10 | length 1125
  Top Layer w6: v1@726,1276 795,1276 892,1179 892,1144 835,1087 771.3,1087 765.78,1092.52 U1.20
  Bottom Layer w6: U6.10 144.12,1375.12 208,1439 547,1439 710,1276 v1(721,1276) v1@721,1270
PB3: U1.39 U6.9 | length 585.7
  Top Layer w6: v1(78,1359) 86,1367 169,1367 210,1326 210,1303.94 389.93,1124.02 U1.39
  Bottom Layer w6: v1(78,1359) 80.59,1361.59 115.61,1361.59 U6.9
PB4: U1.40 U6.8 | length 495.1
  Top Layer w6: v1(160,1345) 167.97,1345 198,1314.97 198,1298.97 388.7,1108.27 U1.40
  Bottom Layer w6: U6.8 158.62,1343.63 v1(160,1345)
PB5: U1.41 U6.7 | length 581.3
  Top Layer w6: v1(75,1321) 77,1323 173,1323 184,1312 184,1296 387.48,1092.52 U1.41
  Bottom Layer w6: v1(75,1321) 81.88,1327.88 U6.7
PB6: U1.42 U6.6 | length 484.6
  Top Layer w6: v1(160,1302) 160.97,1302 386.2,1076.77 U1.42
  Bottom Layer w6: U6.6 149.88,1312.13 v1(160,1302)
PB7: U1.43 U6.5 | length 570.3
  Top Layer w6: v1(75,1281) 165,1281 384.98,1061.02 U1.43
  Bottom Layer w6: v1(75,1281) 90.38,1296.38 U6.5
PB12: CR1.4 U1.25 | length 376.9
  Top Layer w6: U1.25 707.72,1217.72 733,1243 v1(765,1243)
  Bottom Layer w6: v1(765,1243) 744.97,1263.02 744.97,1431.98 774.25,1461.25 CR1.4
RST: C1.2 CR1.5 R1.1 U1.7 | length 1413.9
  Top Layer w6: U1.7 628.98,932.69 R1.1 606,907 584,885 584,859.28 C1.2 633.28,810 656,810 678,832 709,832 735,806 735,779 742,772 832,772 837,777 v1(945,777) ; v1(723,1450) 791,1450 v1(879,1362)
  Bottom Layer w6: v1(723,1450) 723,1463.53 CR1.5 ; v1(879,1362) 879,1306 931,1254 931,970 945,956 v1(945,777)
SD_CS: R30.2 U1.38 U9.2 | length 1369.7
  Top Layer w6: v1(456,1157) 473.24,1139.76 U1.38 ; v1(835,908) 943,908 1034,817 1059,817 1098.9,777.1 U9.2 1098.9,558.82 R30.2
  Bottom Layer w6: v1(456,1157) 461,1157 462,1158 464,1156 477.03,1156 512,1190.97 512,1287 538,1313 586.7,1313 714,1185.7 714,1008.3 814.3,908 829,908 v1@835,914
SD_DI: R34.1 U1.28 U9.5 | length 1003.7
  Top Layer w6: U1.28 660.47,1337.11 704.36,1381 779,1381 1012,1148 1012,1081 1042,1051 1119,1051 1135,1035 1135,1012 1147,1000 1182.28,1000 R34.1
  Top Layer w10: U9.5 1198.9,981.18 R34.1
SD_DO: R33.2 U1.27 U9.6 | length 1094.6
  Top Layer w6: U1.27 675,1186.26 675,1334.67 709.33,1369 774.03,1369 1000,1143.03 1000,885.97 1031.97,854 1109,854 U9.6@1145.9,890.9
  Top Layer w10: U9.6 1148.9,971.18 R33.2
SD_SCLK: U1.26 U9.3 | length 1143.2
  Top Layer w6: U1.26 691.97,1235.33 687,1240.3 687,1329.7 714.3,1357 769.06,1357 988,1138.06 988,881 1028.22,840.78 1062.22,840.78 1148.9,754.1 U9.3
SD_SDD1: R32.2 U9.7 | length 75.6
  Top Layer w10: U9.7 R32.2@1098.9,982.28
SD_SDD2: R31.2 U9.1 | length 78
  Top Layer w6: U9.1 1060,620.01 R31.2
SWCLK: P1.A8 P1.B8 U1.37 | length 670.4
  Top Layer w6: v1(191,776) 192.16,777.16 P1.A8 P1.A8@239.51,778 ; P1.B8 286.74,895.26 v1(287,895) ; v1(457,1187) 473.47,1187 U1.37
  Bottom Layer w6: v1(191,776) 191,799 v1(287,895) ; v1@291,903 291,1021.7 456.3,1187 v1(457,1187)
SWDIO: P1.A5 P1.B5 U1.34 | length 1004.1
  Top Layer w6: P1.A5 182.57,875.57 160,853 160,771 176,755 239.51,755 P1.B5 309.54,757.46 v1(310,757) ; v1(553,1255) 555,1253 555,1222.3 565.98,1211.32 U1.34
  Bottom Layer w6: v1(310,757) 310,972 553,1215 v1(553,1255)
TFT_DB8: U6.4
TFT_IM: R24.1 R25.2 U6.13 | length 74.8
  Top Layer w6: R25.2 R24.1
  Bottom Layer w6: U6.13 253.62,1406.62 v1(256,1409)
TFT_LEDK: R20.2 U6.23 | length 276.8
  Bottom Layer w6: U6.23 194.13,1249.13 190.99,1245.99 190.99,1230.99 204.97,1217 273,1217 305,1249 305,1279.41 v1(258.41,1326)
TFT_RD: R23.1 U6.14 | length 125.1
  Top Layer w6: v1(189,1389) 190,1388 254.28,1388 R23.1
  Bottom Layer w6: v1(189,1389) 190.87,1390.87 U6.14
USB_D+: P1.A6 P1.B6 U2.1 | length 821.8
  Top Layer w6: P1.A6 206.2,836.2 197,827 197,806 206.17,796.83 P1.B6 345.83,796.83 v1(351,802) ; v1(350,590) 362,578 419,578 492,505 492,431 540,383 U2.1
  Bottom Layer w6: v1(350,590) 351,591 v1(351,802)
USB_D-: P1.A7 P1.B7 U2.2 | length 807.2
  Top Layer w6: P1.A7 269.52,816.52 283,830 283,843 270.11,855.89 P1.B7 ; 286,842 v1(351,842) ; v1(379,616) 387,608 419,608 506,521 506,443 559.69,389.31 U2.2
  Bottom Layer w6: v1(351,842) 358,842 372,828 372,623 v1(379,616)
USB_VCC: C8.2 D4.A D8.A P1.A4 P1.A9 P1.B4 P1.B9 U3.4 | length 1206.5
  Top Layer w10: D8.A 110.55,551.73 110.55,839.55 186.04,915.04 P1.B9@240.09,915.04 ; 111.67,737.88 P1.B4@240.08,737.88 ; P1.A9 P1.B4 ; D4.A 351.69,209.8 455.12,209.8 474.8,229.49 483.86,220.43 C8.2
  Bottom Layer w10: v1(100,516) 339,277 v1(339,239)
VBAT: C13.1 D5.K U1.1 | length 665.8
  Top Layer w6: D5.K v1(460,428.82) C13.1 ; v1(499,957) 503.24,952.76 U1.1
  Bottom Layer w6: v1(460,428.82) 460,909.3 476,925.3 476,934 v1(499,957)
pads on no net: CR1.8 P1. P1.1 P1.2 P1.3 P1.4 S1.0 S2.1 S2.5 S2.6 S2.7 S2.8 S2.14 U1.5 U1.6 U2.4 U2.5 U2.6 U4.4 U5.4 U8.9

## Polygon pours and split planes (outlines as drawn)
GND on Top Layer "GND" (solid, remove dead copper, pour order 0): 196.85,1535.43 0,1338.58 0,196.85 196.85,0 1062.99,0 1259.84,196.85 1259.84,1338.58 1062.99,1535.43
GND on Bottom Layer "GND" (solid, remove dead copper, pour order 2): 196.85,1535.43 0,1338.58 0,196.85 196.85,0 1062.99,0 1259.84,196.85 1259.84,1338.58 1062.99,1535.43

## Keep-outs
Keep-Out Layer:
  the board outline again, w6

## Silkscreen, mask and mechanical layers (free items; w line width, h text height)
Bottom Overlay:
  text "WatchX II" at 1112,240 h200
  text "No.024" at 843,67 h100
Mechanical 1:
  the board outline again, w6